# Altium PCB Main.PcbDoc (part 1 of 2)
Units mil, origin at the board's own origin, x right, y up, seen from the top; angles counter-clockwise.
Board outline 2175 x 1925 mil, 2 copper layers (Top Layer, Bottom Layer); 102 components, 68 nets, 356 pads, 164 vias.
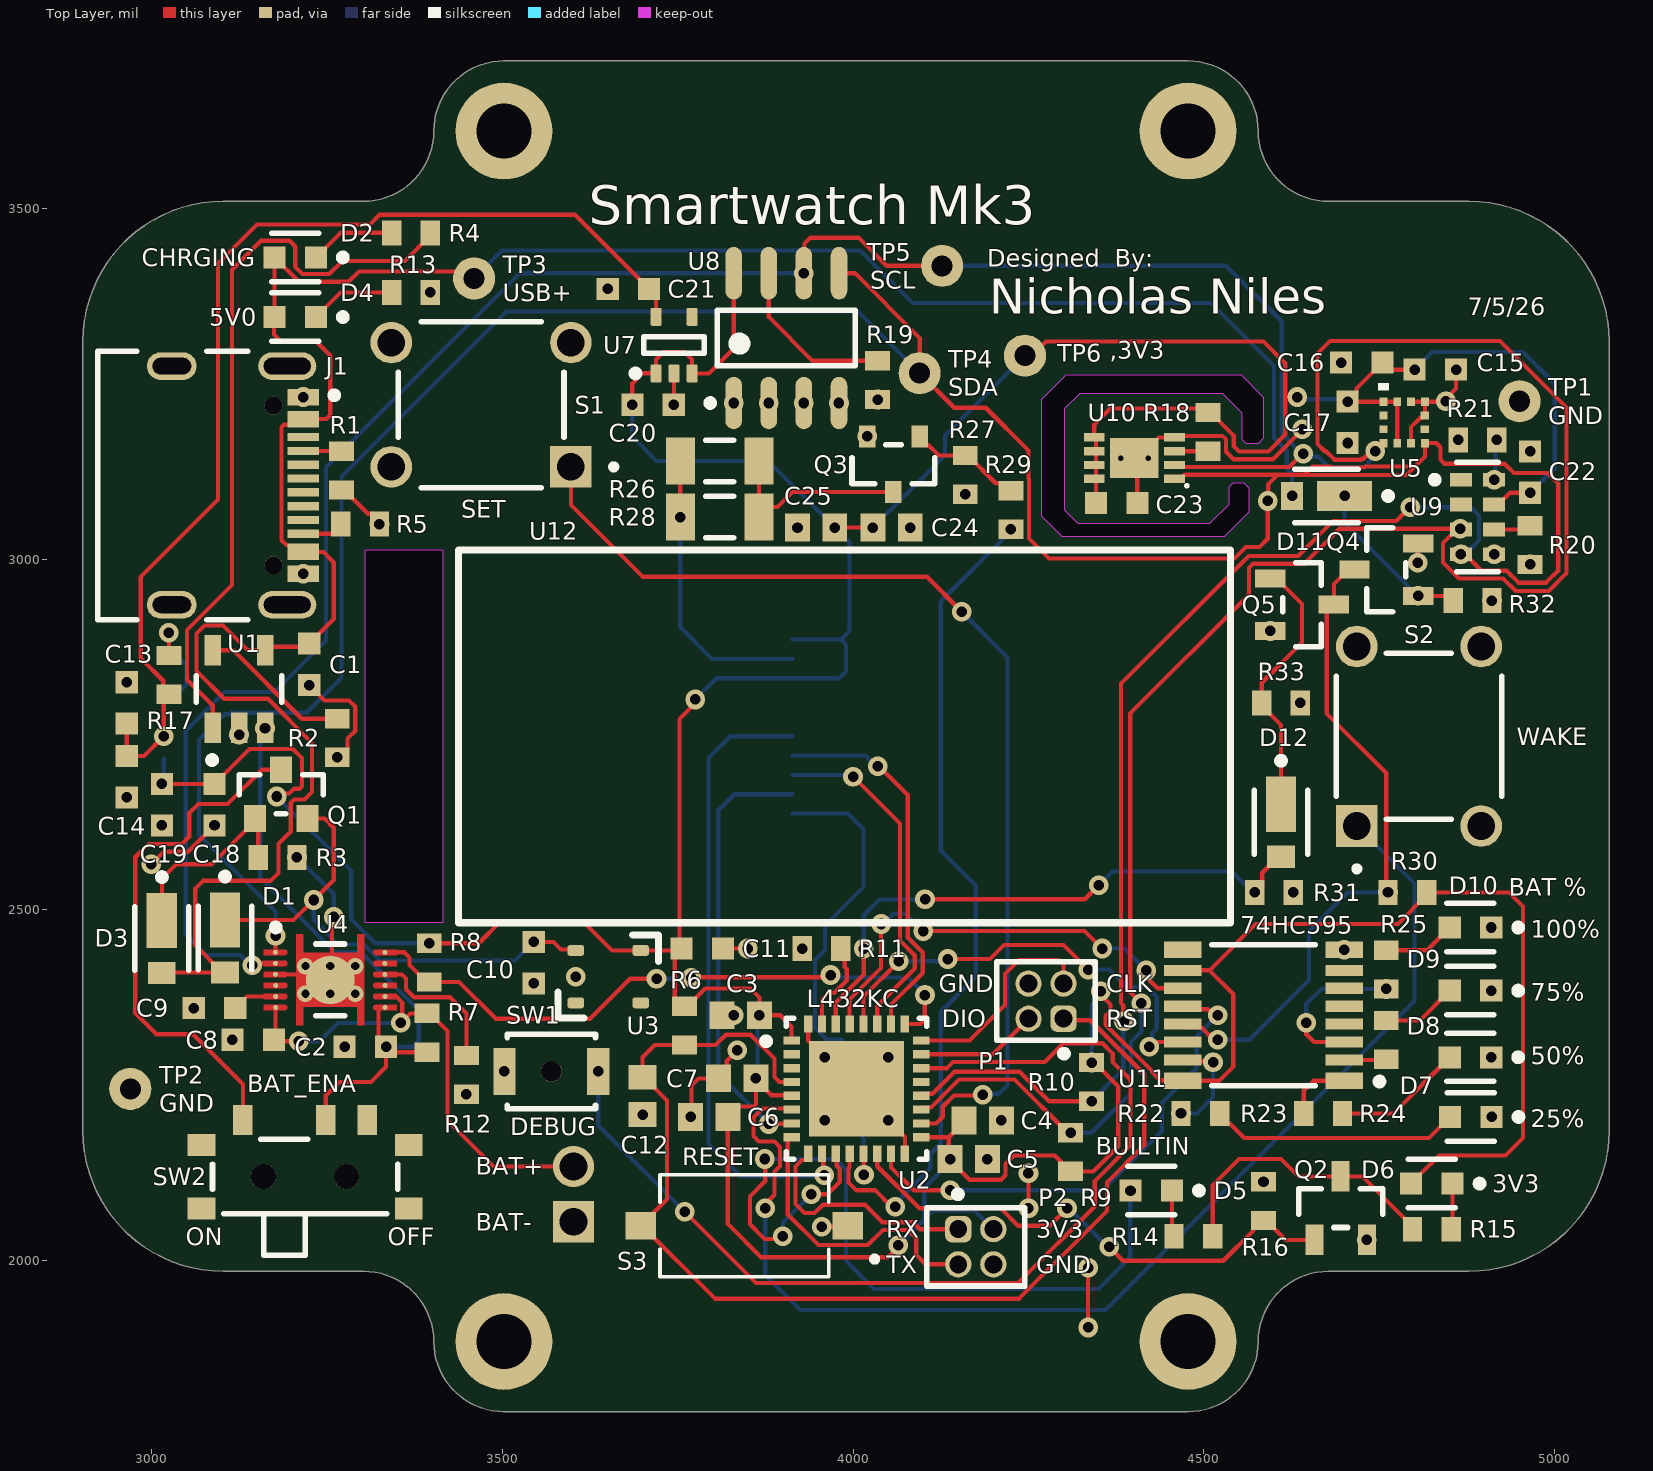
[diagram p0: Top Layer view]
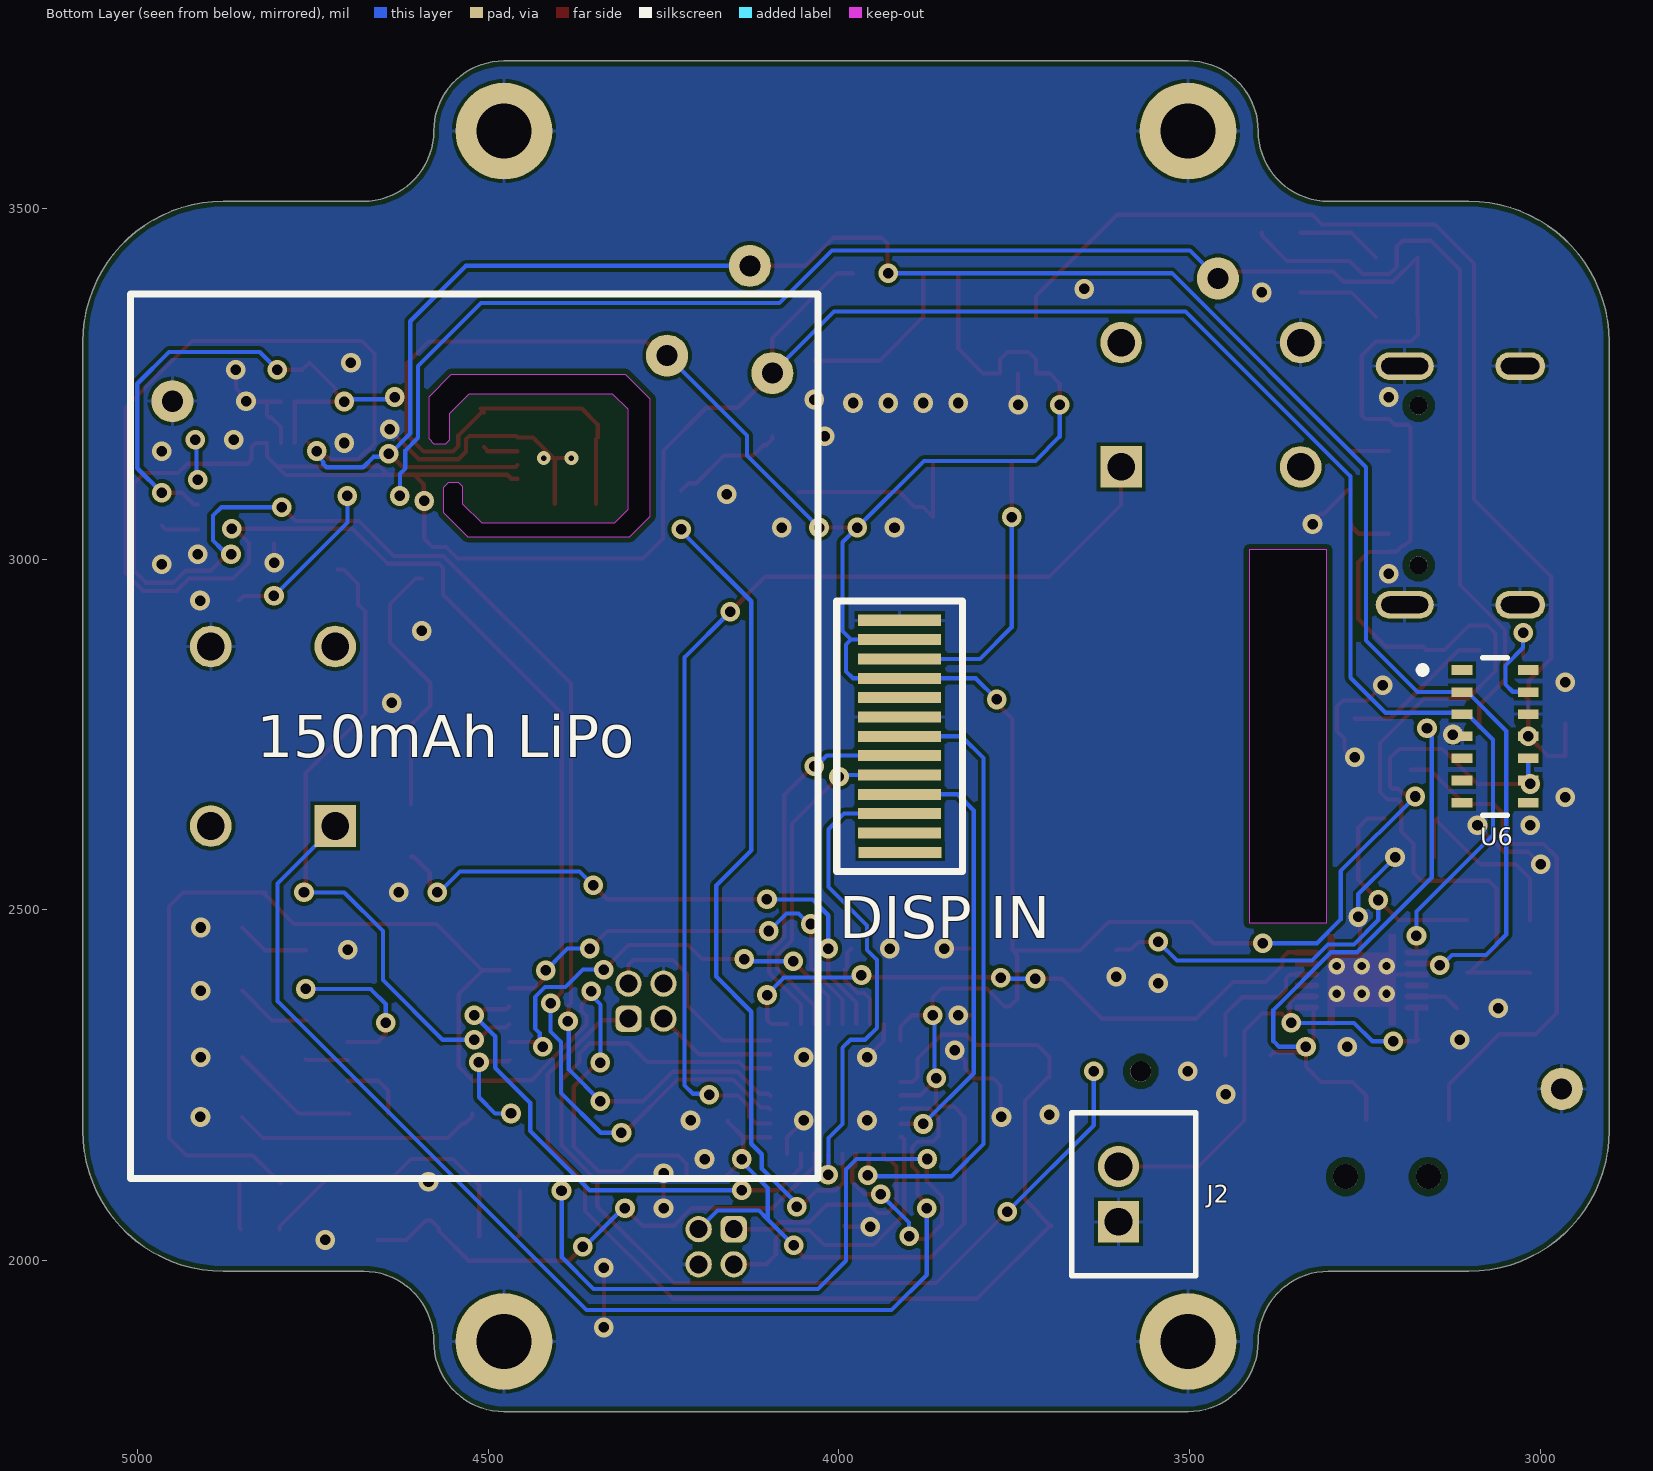
[diagram p1: Bottom Layer view, seen from below]
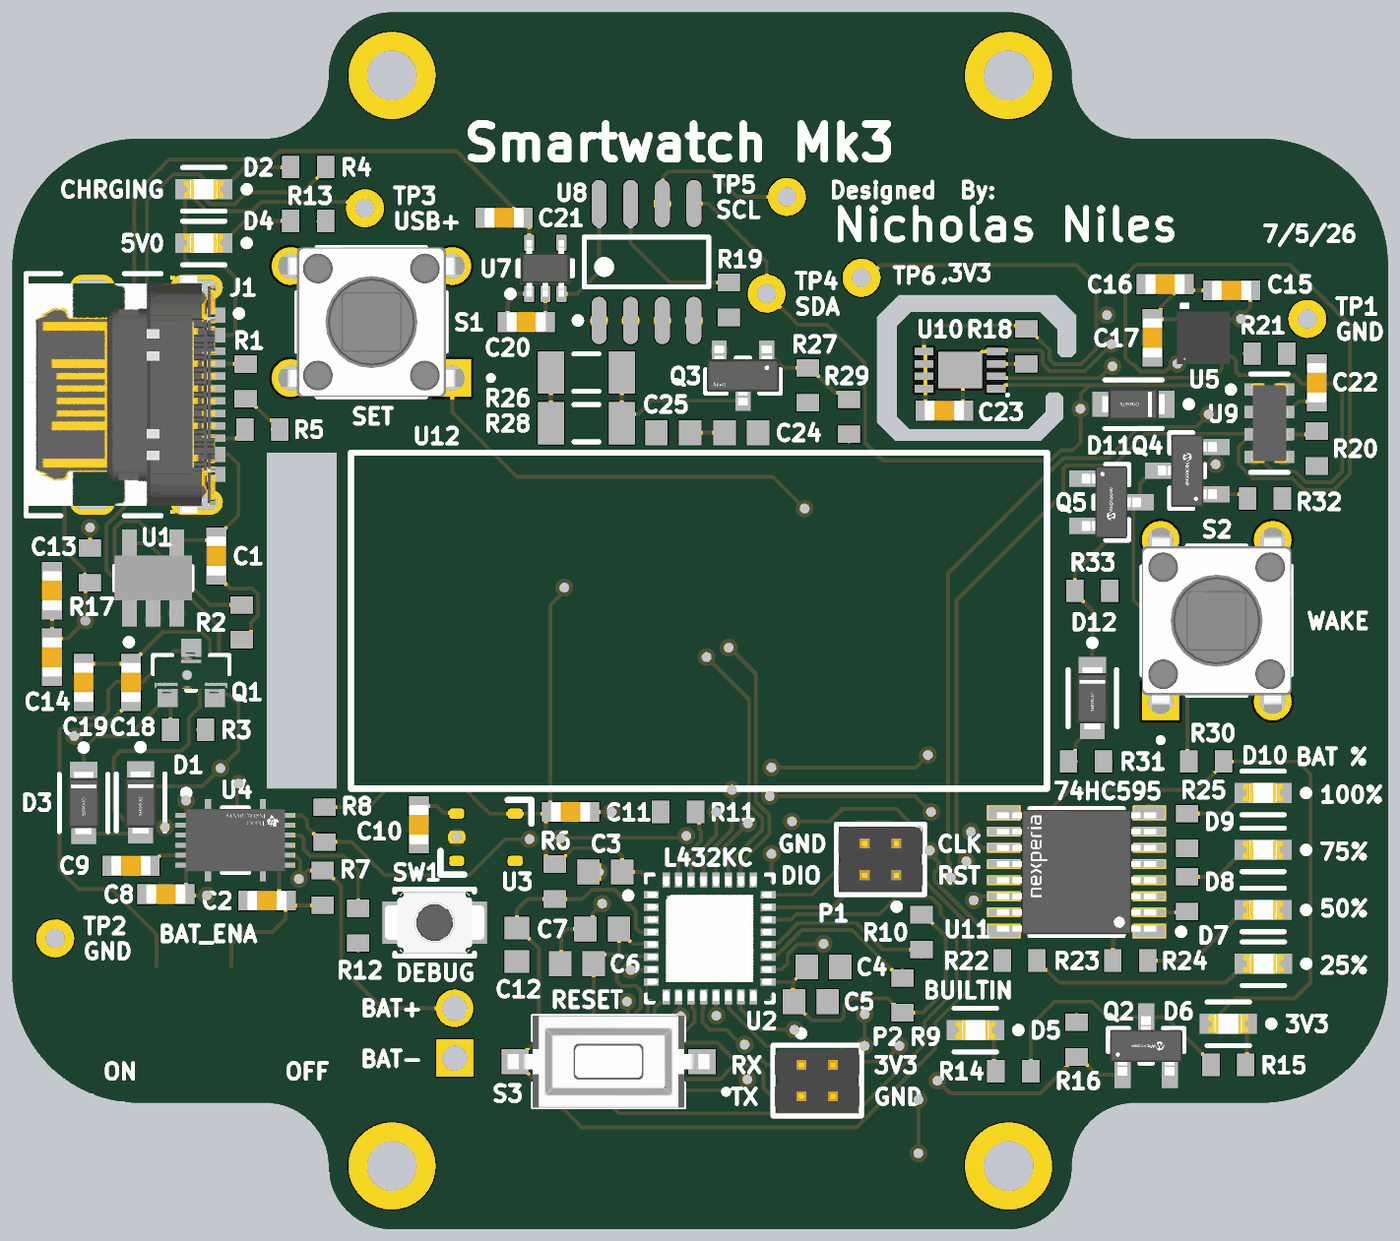
[diagram p3: 3D render of the assembled board from above, using the file's embedded part models]

## Layer stack, top to bottom
Top Solder: solder mask 0.4, Solder Resist, Dk 3.5
Top Layer: signal copper 1.4
Dielectric 1: dielectric 12.6, FR-4, Dk 4.8
Bottom Layer: signal copper 1.4
Bottom Solder: solder mask 0.4, Solder Resist, Dk 3.5

## Board outline
2902.5,2185 ccw(c3102.5,2185) 3102.5,1985 3302.5,1985 cw(c3302.5,1885) 3402.5,1885 ccw(c3502.5,1885) 3502.5,1785 4477.5,1785 ccw(c4477.5,1885) 4577.5,1885 cw(c4677.5,1885) 4677.5,1985 4877.5,1985 ccw(c4877.5,2185) 5077.5,2185 5077.5,3310 ccw(c4877.5,3310) 4877.5,3510 4677.5,3510 cw(c4677.5,3610) 4577.5,3610 ccw(c4477.5,3610) 4477.5,3710 3502.5,3710 ccw(c3502.5,3610) 3402.5,3610 cw(c3302.5,3610) 3302.5,3510 3102.5,3510 ccw(c3102.5,3310) 2902.5,3310
cut-out: 4320.48,3051 4508.73,3051 4536.28,3078.55 4536.28,3103.19 4542.09,3109 4557,3109 4564,3102 4564,3067 4529,3032 4298,3032 4269,3061 4269,3228 4304,3263 4553,3263 4585,3231 4585,3172 4577.7,3164.7 4560.3,3164.7 4555,3170 4555,3208 4527,3236 4323,3236 4301,3214 4301,3070.48

## Design rules (kind name [scope] priority, off if disabled: settings)
BoardOutlineClearance [All] p1: gap=7.87 ignorepadtopadclearanceinfootprint=FALSE
Clearance [All] p1: gap=5 ignorepadtopadclearanceinfootprint=TRUE except(10: Arc-Hole Track-Hole SMDPad-Hole THPad-Hole Via-Hole Fill-Hole Poly-Hole Region-Hole Text-Hole)
ComponentClearance [All] p1: gap=5 collisioncheckmode=3 verticalgap=5 showdistances=TRUE
DiffPairsRouting [All] p1: maxlimit=10 minlimit=5 mostfreqgap=5 toplayer_minwidth=5 toplayer_maxwidth=1000 toplayer_prefwidth=5 bottomlayer_minwidth=5 bottomlayer_maxwidth=1000 bottomlayer_prefwidth=5 maxuncoupledlength=500
Height [All] p1: minheight=0 maxheight=71497.94 prefheight=500
HoleSize [All] p1: absolutevalues=TRUE maxlimit=248.03 minlimit=11.81 maxpercent=80.000 minpercent=20.000
HoleToHoleClearance [All] p1: gap=10 allowstackedmicrovias=FALSE
MinimumAnnularRing [All] p1: minimumring=6
MinimumSolderMaskSliver [All] p1: minsoldermaskwidth=6
PlaneClearance [All] p1: clearance=5
PlaneConnect PlaneConnectPowerPads [InPadClass('PowerPads')] p1: planeconnectstyle=Direct reliefexpansion=20 reliefentries=4 reliefconductorwidth=10 reliefairgap=10
PlaneConnect [All] p2: pad.planeconnectstyle=Relief pad.reliefexpansion=11.81 pad.reliefentries=4 pad.reliefconductorwidth=5 pad.reliefairgap=5 via.planeconnectstyle=Direct via.reliefexpansion=11.81 via.reliefentries=4 via.reliefconductorwidth=5 via.reliefairgap=5
PolygonConnect PolygonConnectPowerPads [All vs (InPadClass('PowerPads'))] p1: connectstyle=Direct reliefconductorwidth=10 reliefentries=4 polygonreliefangle="90 Angle" airgapwidth=10
PolygonConnect [All] p2: thpad.connectstyle=Relief thpad.reliefconductorwidth=5 thpad.reliefentries=4 thpad.polygonreliefangle="90 Angle" thpad.airgapwidth=5 smdpad.connectstyle=Relief smdpad.reliefconductorwidth=5 smdpad.reliefentries=4 smdpad.polygonreliefangle="90 Angle" smdpad.airgapwidth=5 via.connectstyle=Direct via.reliefconductorwidth=5 via.reliefentries=4 via.polygonreliefangle="90 Angle" via.airgapwidth=5
RoutingVias [All] p1: holewidth=11.81 width=23.62 viastyle="Through Hole" minholewidth=11.81 minwidth=23.62 maxholewidth=23.62 maxwidth=259.84
SilkToSilkClearance [All] p1: silktosilkclearance=5
SilkToSolderMaskClearance [IsPad] p1: minsilkscreentomaskgap=5 clearancetoexposedcopper=TRUE
SolderMaskExpansion [All] p1: expansion=2 istentingtop=FALSE
SupplyNets "Schematic Supply Nets_7" [InNet('3V3')] p1: voltage=0.000
SupplyNets "Schematic Supply Nets_6" [InNet('VDD')] p2: voltage=0.000
SupplyNets "Schematic Supply Nets_5" [InNet('1V8')] p3: voltage=0.000
SupplyNets "Schematic Supply Nets_4" [InNet('VSYS')] p4: voltage=0.000
SupplyNets "Schematic Supply Nets_3" [InNet('LDO_IN')] p5: voltage=0.000
SupplyNets "Schematic Supply Nets_2" [InNet('GND')] p6: voltage=0.000
SupplyNets "Schematic Supply Nets_1" [InNet('USB_VCC')] p7: voltage=0.000
SupplyNets "Schematic Supply Nets" [InNet('PACK+')] p8: voltage=0.000
UnRoutedNet [All] p1: checkbadconnections=TRUE
Width Width_10mil [All] p1: maxlimit=6 minlimit=6 preferedwidth=6 minimp=50.000000 maximp=50.000000 favimp=50.000000
Width Width_6mil [All] p2: maxlimit=1000 minlimit=6 preferedwidth=6 minimp=50.000000 maximp=50.000000 favimp=50.000000
Width Power_20mil [All] p3: maxlimit=1000 minlimit=20 preferedwidth=20 minimp=50.000000 maximp=50.000000 favimp=50.000000
Width Power_12mil [All] p4: maxlimit=1000 minlimit=12 preferedwidth=12 minimp=50.000000 maximp=50.000000 favimp=50.000000
Width Width_5mil [All] p5: maxlimit=1000 minlimit=5 preferedwidth=5 minimp=50.000000 maximp=50.000000 favimp=50.000000
19 further rules are at their usual default settings.

## Components (designator, comment, footprint, x,y, rotation, side; value= is the part's Value field where it differs from the comment)
C1 "4.7µF" WCAP-CSGP_0603_L1.6W0.8H0.8_Reflow 3225,2850 r90 top
C2 "4.7µF" WCAP-CSGP_0603_L1.6W0.8H0.8_Reflow 3305,2305 r0 top
C3 "0.1uF" CAPC1608X87X35NL15T15 3840,2350 r180 top
C4 "0.1uF" CAPC1608X87X35NL15T15 4185,2200 r0 top
C5 "4.7uF" CAPC1608X87X35NL15T15 4165,2145 r0 top
C6 "0.1uF" CAPC1608X87X35NL15T15 3795,2205 r180 top
C7 "1uF" CAPC1608X87X35NL15T15 3835,2260 r180 top
C8 "1uF" WCAP-CSGP_0603_L1.6W0.8H0.8_Reflow 3145,2315 r180 top
C9 "1uF" WCAP-CSGP_0603_L1.6W0.8H0.8_Reflow 3090,2360 r180 top
C10 "4.7µF" WCAP-CSGP_0603_L1.6W0.8H0.8_Reflow 3545,2425 r90 top
C11 "10uF" WCAP-CSGP_0603_L1.6W0.8H0.8_Reflow 3785,2445 r180 top
C12 "0.1uF" CAPC1608X87X35NL15T15 3700,2235 r90 top
C13 "4.7µF" WCAP-CSGP_0603_L1.6W0.8H0.8_Reflow 2965,2795 r90 top
C14 "0.1µF" WCAP-CSGP_0603_L1.6W0.8H0.8_Reflow 2965,2690 r270 top
C15 "100nF" WCAP-CSGP_0603_L1.6W0.8H0.8_Reflow 4830,3270 r0 top
C16 "100nF" WCAP-CSGP_0603_L1.6W0.8H0.8_Reflow 4725,3280 r180 top
C17 "10µF" WCAP-CSGP_0603_L1.6W0.8H0.8_Reflow 4705,3195 r270 top
C18 "0.1µF" WCAP-CSGP_0603_L1.6W0.8H0.8_Reflow 3090,2650 r270 top
C19 "10µF" WCAP-CSGP_0603_L1.6W0.8H0.8_Reflow 3015,2650 r270 top
C20 "1µF" WCAP-CSGP_0603_L1.6W0.8H0.8_Reflow 3715,3220 r180 top
C21 "1µF" WCAP-CSGP_0603_L1.6W0.8H0.8_Reflow 3680,3385 r0 top
C22 "0.1µF" WCAP-CSGP_0603_L1.6W0.8H0.8_Reflow 4965,3124.06 r90 top
C23 "1µF" WCAP-CSGP_0603_L1.6W0.8H0.8_Reflow 4376,3080 r0 top
C24 "1uF" CAPC1608X87X35NL15T15 4055,3045 r0 top
C25 "100nF" CAPC1608X87X35NL15T15 3947.44,3045 r180 top
D1 "NRVBSS14HE" FP-477AD-MFG 3105,2460 r270 top
D2 "LTST-C190KGKT" FP-LTST-C190KGKT-MFG 3205,3430 r180 top
D3 "NRVBSS14HE" FP-477AD-MFG 3015,2459.21 r270 top
D4 "LTST-C190KGKT" FP-LTST-C190KGKT-MFG 3205,3345 r180 top
D5 "LTST-C190KGKT" FP-LTST-C190KGKT-MFG 4425,2100 r180 top
D6 "LTST-C190KGKT" FP-LTST-C190KGKT-MFG 4825,2110 r180 top
D7 "LTST-C190KGKT" FP-LTST-C190KGKT-MFG 4880.47,2205 r180 top
D8 "LTST-C190KGKT" FP-LTST-C190KGKT-MFG 4880,2290 r180 top
D9 "LTST-C190KGKT" FP-LTST-C190KGKT-MFG 4880,2385 r180 top
D10 "LTST-C190KGKT" FP-LTST-C190KGKT-MFG 4880,2475 r180 top
D11 "NRVBSS14HE" FP-477AD-MFG 4675,3090 r180 top
D12 "NRVBSS14HE" FP-477AD-MFG 4610,2625 r270 top
J1 "USB4105-GF-A" FP-USB4105-GF-A-MFG 3075,3105 r270 top locked
J2 "B2B-PH-K-S(LF)(SN)" JST-B2B-PH-K-S_V 3580,2095 r90 bottom
P1 "62200421121" 62200421121 4275,2370 r90 top
P2 "62200421121" 62200421121 4175,2020 r270 top
Q1 "IRLML6402TRPBF" FP-Micro3-MFG 3185,2665 r90 top
Q2 "DMN2058U-13" FP-C04-17458-MFG 4695,2075 r90 top
Q3 "SS8050-G" FP-SS8050-G-MFG 4057.6,3135.24 r270 top
Q4 "DMN2058U-13" FP-C04-17458-MFG 4760,2985 r180 top
Q5 "DMN2058U-13" FP-C04-17458-MFG 4640,2935 r0 top
R1 "5.1kΩ" RESC1608X55X25NL10T15 3271,3126 r90 top
R2 "10kΩ" RESC1608X55X25NL10T15 3265,2745 r270 top
R3 "10kΩ" RESC1608X55X25NL10T15 3180,2575 r0 top
R4 "2.2kΩ" RESC1608X55X25NL10T15 3370,3465 r0 top
R5 "5.1kΩ" RESC1608X55X25NL10T15 3297.56,3050 r180 top
R6 "10k" RESC1608X55X25NL10T15 3760,2335 r90 top
R7 "10mΩ" RESC1608X55X25NL10T15 3393,2325 r90 top
R8 "10kΩ" RESC1608X55X25NL10T15 3396,2425 r90 top
R9 "4.7kΩ" RESC1608X55X25NL10T15 4310,2155 r90 top
R10 "4.7kΩ" RESC1608X55X25NL10T15 4340,2255 r270 top
R11 "10k" RESC1608X55X25NL10T15 3955,2445 r0 top
R12 "10kΩ" RESC1608X55X25NL10T15 3449,2265 r90 top
R13 "2.2kΩ" RESC1608X55X25NL10T15 3370,3380 r180 top
R14 "1kΩ" RESC1608X55X25NL10T15 4485,2035 r180 top
R15 "1kΩ" RESC1608X55X25NL10T15 4825,2045 r0 top
R16 "10kΩ" RESC1608X55X25NL10T15 4585,2085 r270 top
R17 "1kΩ" RESC1608X55X25NL10T15 3025,2835 r270 top
R18 "1kΩ" RESC1608X55X25NL10T15 4505.74,3181.39 r90 top
R19 "10kΩ" RESC1608X55X25NL10T15 4035,3255 r90 top
R20 "10kΩ" RESC1608X55X25NL10T15 4965,3020 r90 top
R21 "10kΩ" RESC1608X55X25NL10T15 4890,3170 r0 top
R22 "1kΩ" RESC1608X55X25NL10T15 4495,2210 r180 top
R23 "1kΩ" RESC1608X55X25NL10T15 4670,2210 r180 top
R24 "1kΩ" RESC1608X55X25NL10T15 4760,2315 r270 top
R25 "1kΩ" RESC1608X55X25NL10T15 4760,2415 r270 top
R26 "20" RESC3116X65X40NL10T20 3810,3140 r180 top
R27 "10k" RESC1608X55X25NL10T15 4160,3120 r90 top
R28 "20" RESC3116X65X40NL10T20 3810,3060 r180 top
R29 "1k" RESC1608X55X25NL10T15 4225,3070 r90 top
R30 "10kΩ" RESC1608X55X25NL10T15 4790,2525 r180 top
R31 "10kΩ" RESC1608X55X25NL10T15 4600,2525 r0 top
R32 "10kΩ" RESC1608X55X25NL10T15 4883,2941 r180 top
R33 "10kΩ" RESC1608X55X25NL10T15 4610,2795 r180 top
S1 "SWT0325-073016TSK_REVA" SW_SWT0325-073016TSK_REVA 3470,3220 r180 top
S2 "SWT0325-073016TSK_REVA" SW_SWT0325-073016TSK_REVA 4806.6,2747.52 r90 top locked
S3 "TS09-63-25-WT-260-SMT-TR" SW_TS09-63-25-WT-260-SMT-TR 3845,2050 r180 top
SW1 "RST" FP-B3U-1000P-B-MFG 3570,2270 r0 top
SW2 "450404015514" 450404015514 -46780.94,-47880 r180 top
TP1 "Testpoint" "Testpoint Footprint" 4950,3225 r90 top
TP2 "Testpoint" "Testpoint Footprint" 2970,2245 r90 top
TP3 "Testpoint" "Testpoint Footprint" 3460,3400 r90 top
TP4 "Testpoint" "Testpoint Footprint" 4095,3265 r90 top
TP5 "Testpoint" "Testpoint Footprint" 4127,3418 r90 top
TP6 "Testpoint" "Testpoint Footprint" 4245,3290 r90 top
U1 "MCP73831T-2ACI/OT" FP-C04-091-OT-MFG 3125,2815 r90 top
U2 "STM32L432KCU6" FP-UFQFPN32-A0B8-MFG 4005,2245 r0 top
U3 "S-1317A33-M5T1U4" S-1317A33-M5T1U4 3660,2405 r270 top
U4 "BQ27441DRZR-G1A" FP-DRZ0012A-MFG 3255,2400.32 r270 top
U5 "LIS2DUXS12TR" QFN_DUXS12_STM 4785.5,3194.84 r90 top
U6 "MAX30101EFD+" FP-F143A5-1-MFG 3065,2747.5 r180 bottom locked
U7 "TLV70018DCKR" DCK0005A_L 3745,3305 r90 top
U8 "24LC32AT-I/SN" SOIC-SN8_L 3905,3315 r90 top
U9 "RV-3028-C7 32.768kHz 1ppm TA QC" FP-RV-3028-C7_32_768kHz_1-MFG 4890,3060 r270 top
U10 "MCP9808T-E/MC" MCHP-DFN-MC8_V 4401,3144 r180 top
U11 "74HC595PW,118" FP-SOT403-1-MFG 4585,2350 r180 top
U12 "0.96\" TFT Display" PCBComponent_1 3990,2747.5 r0 top locked
